# Allegro board reServer industrial J401 Carrier Board v11.brd
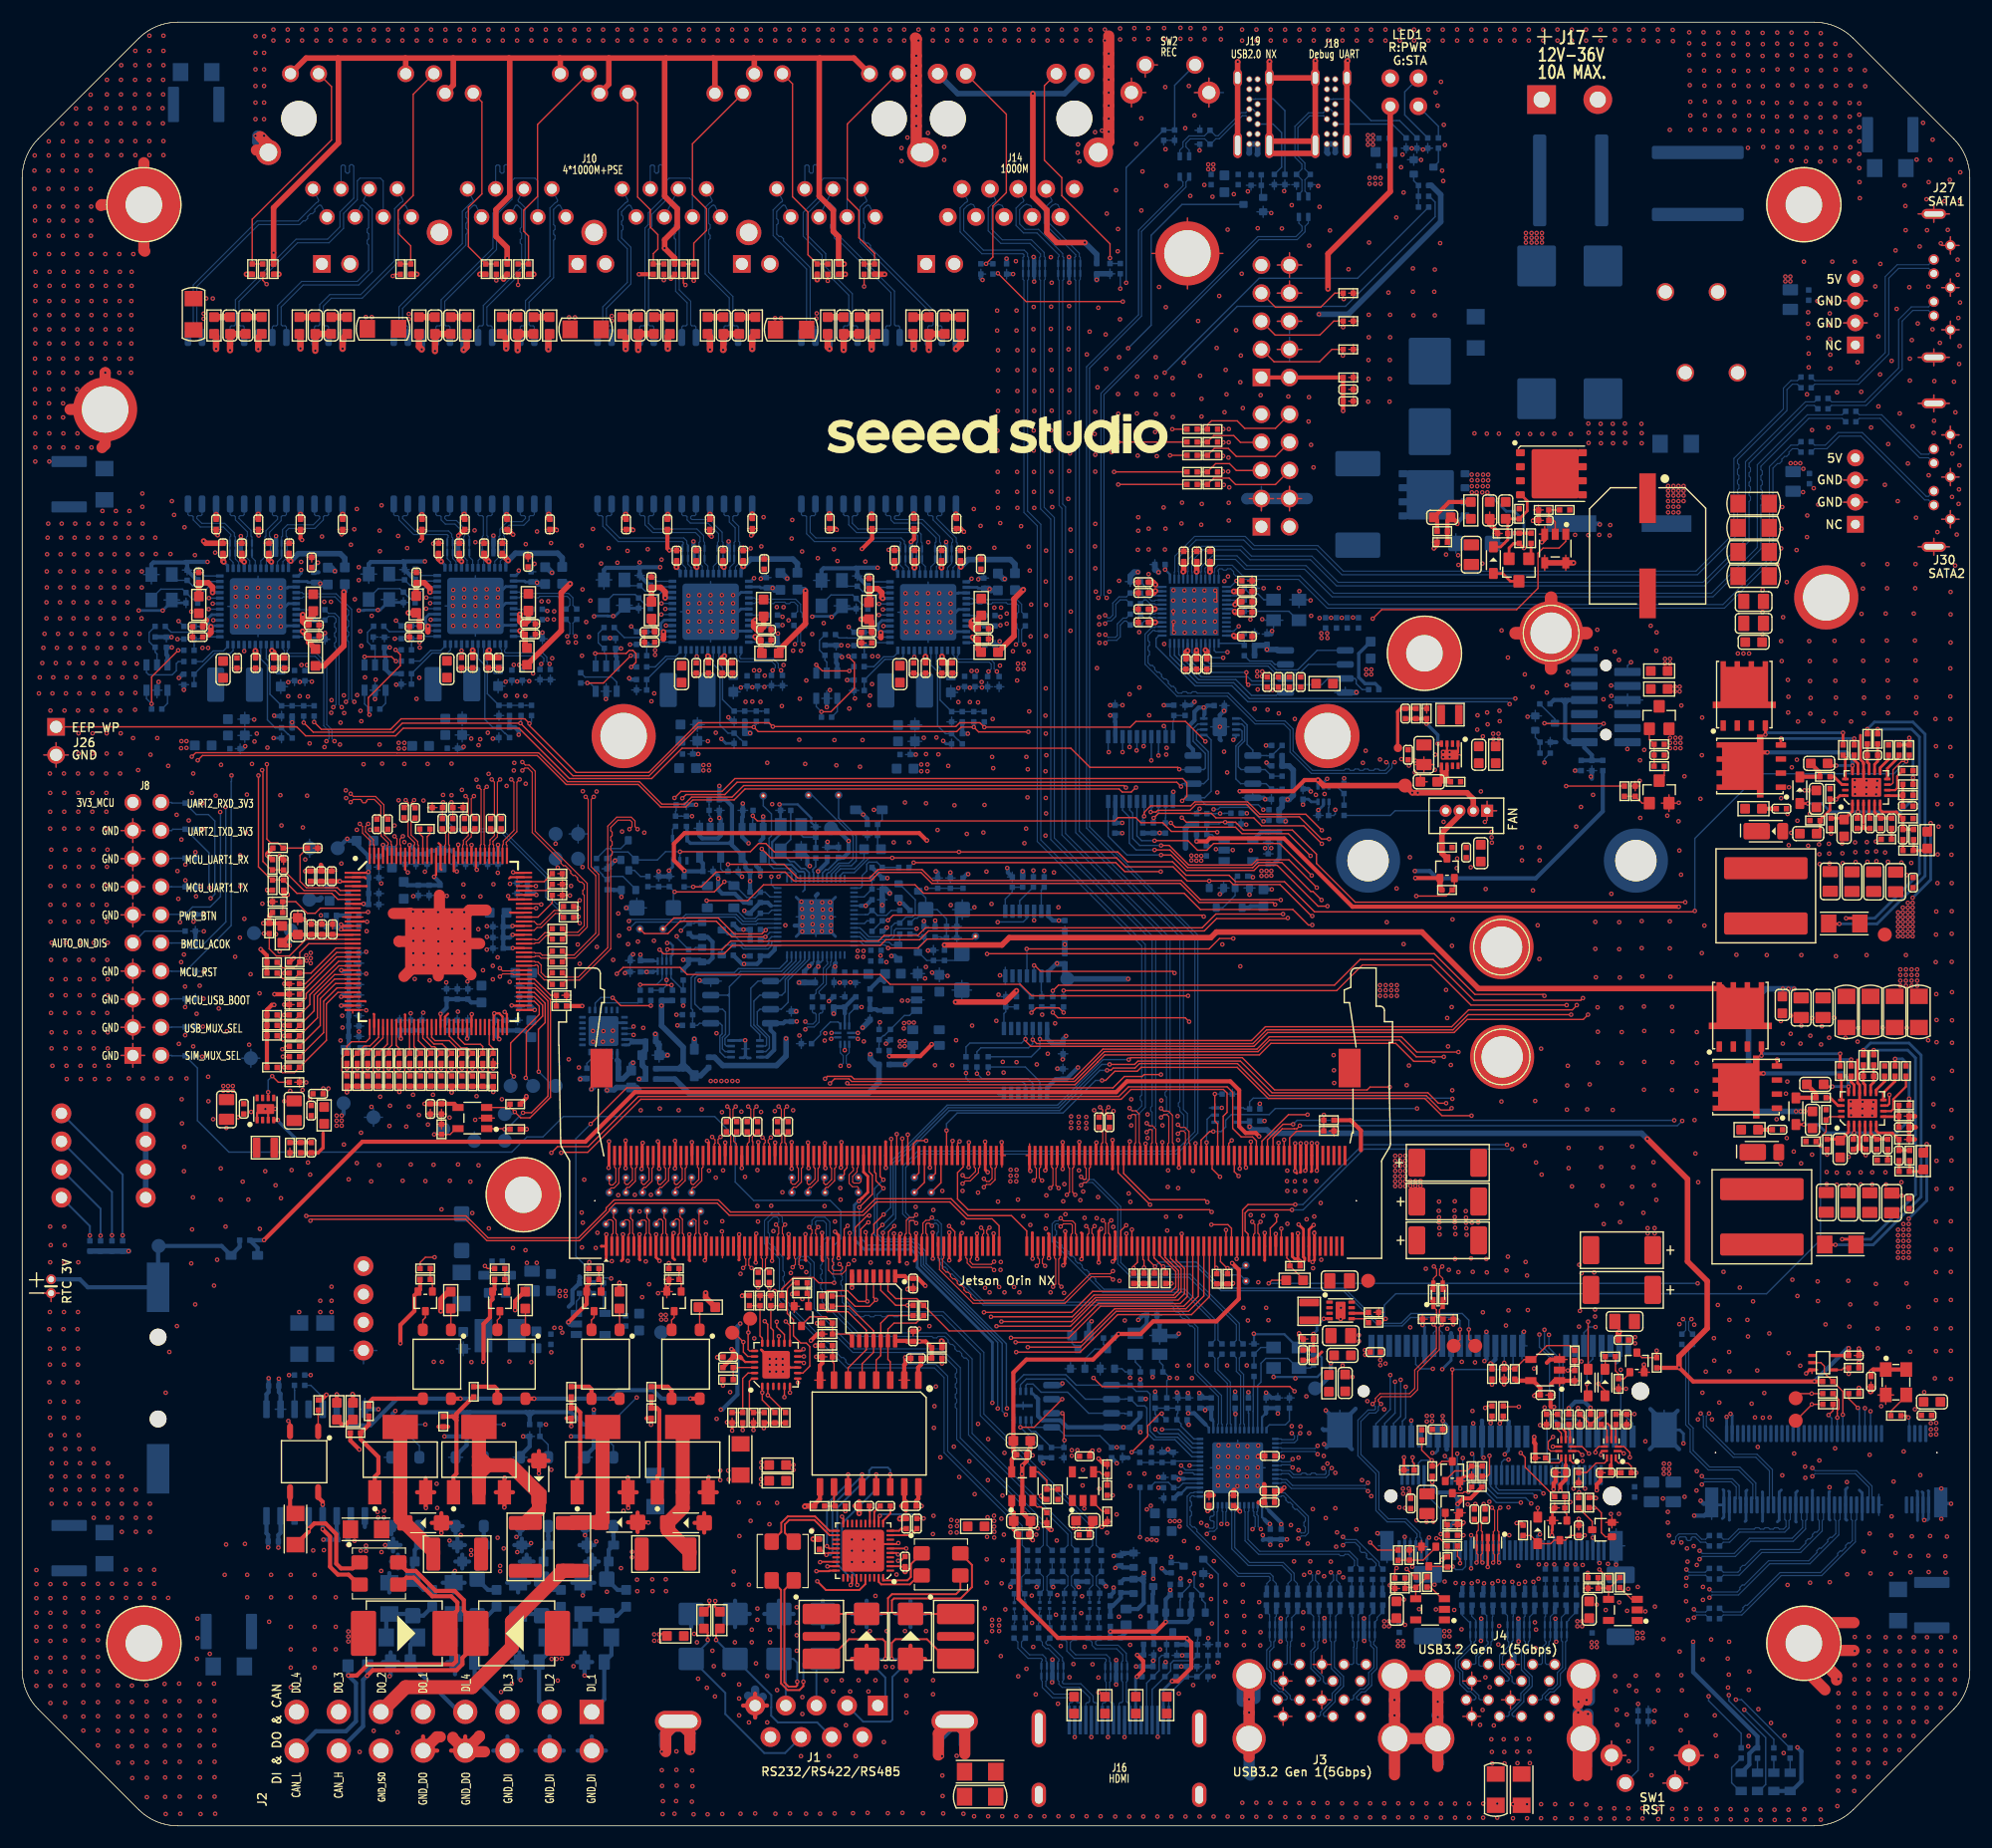
[diagram p0: board, top side]
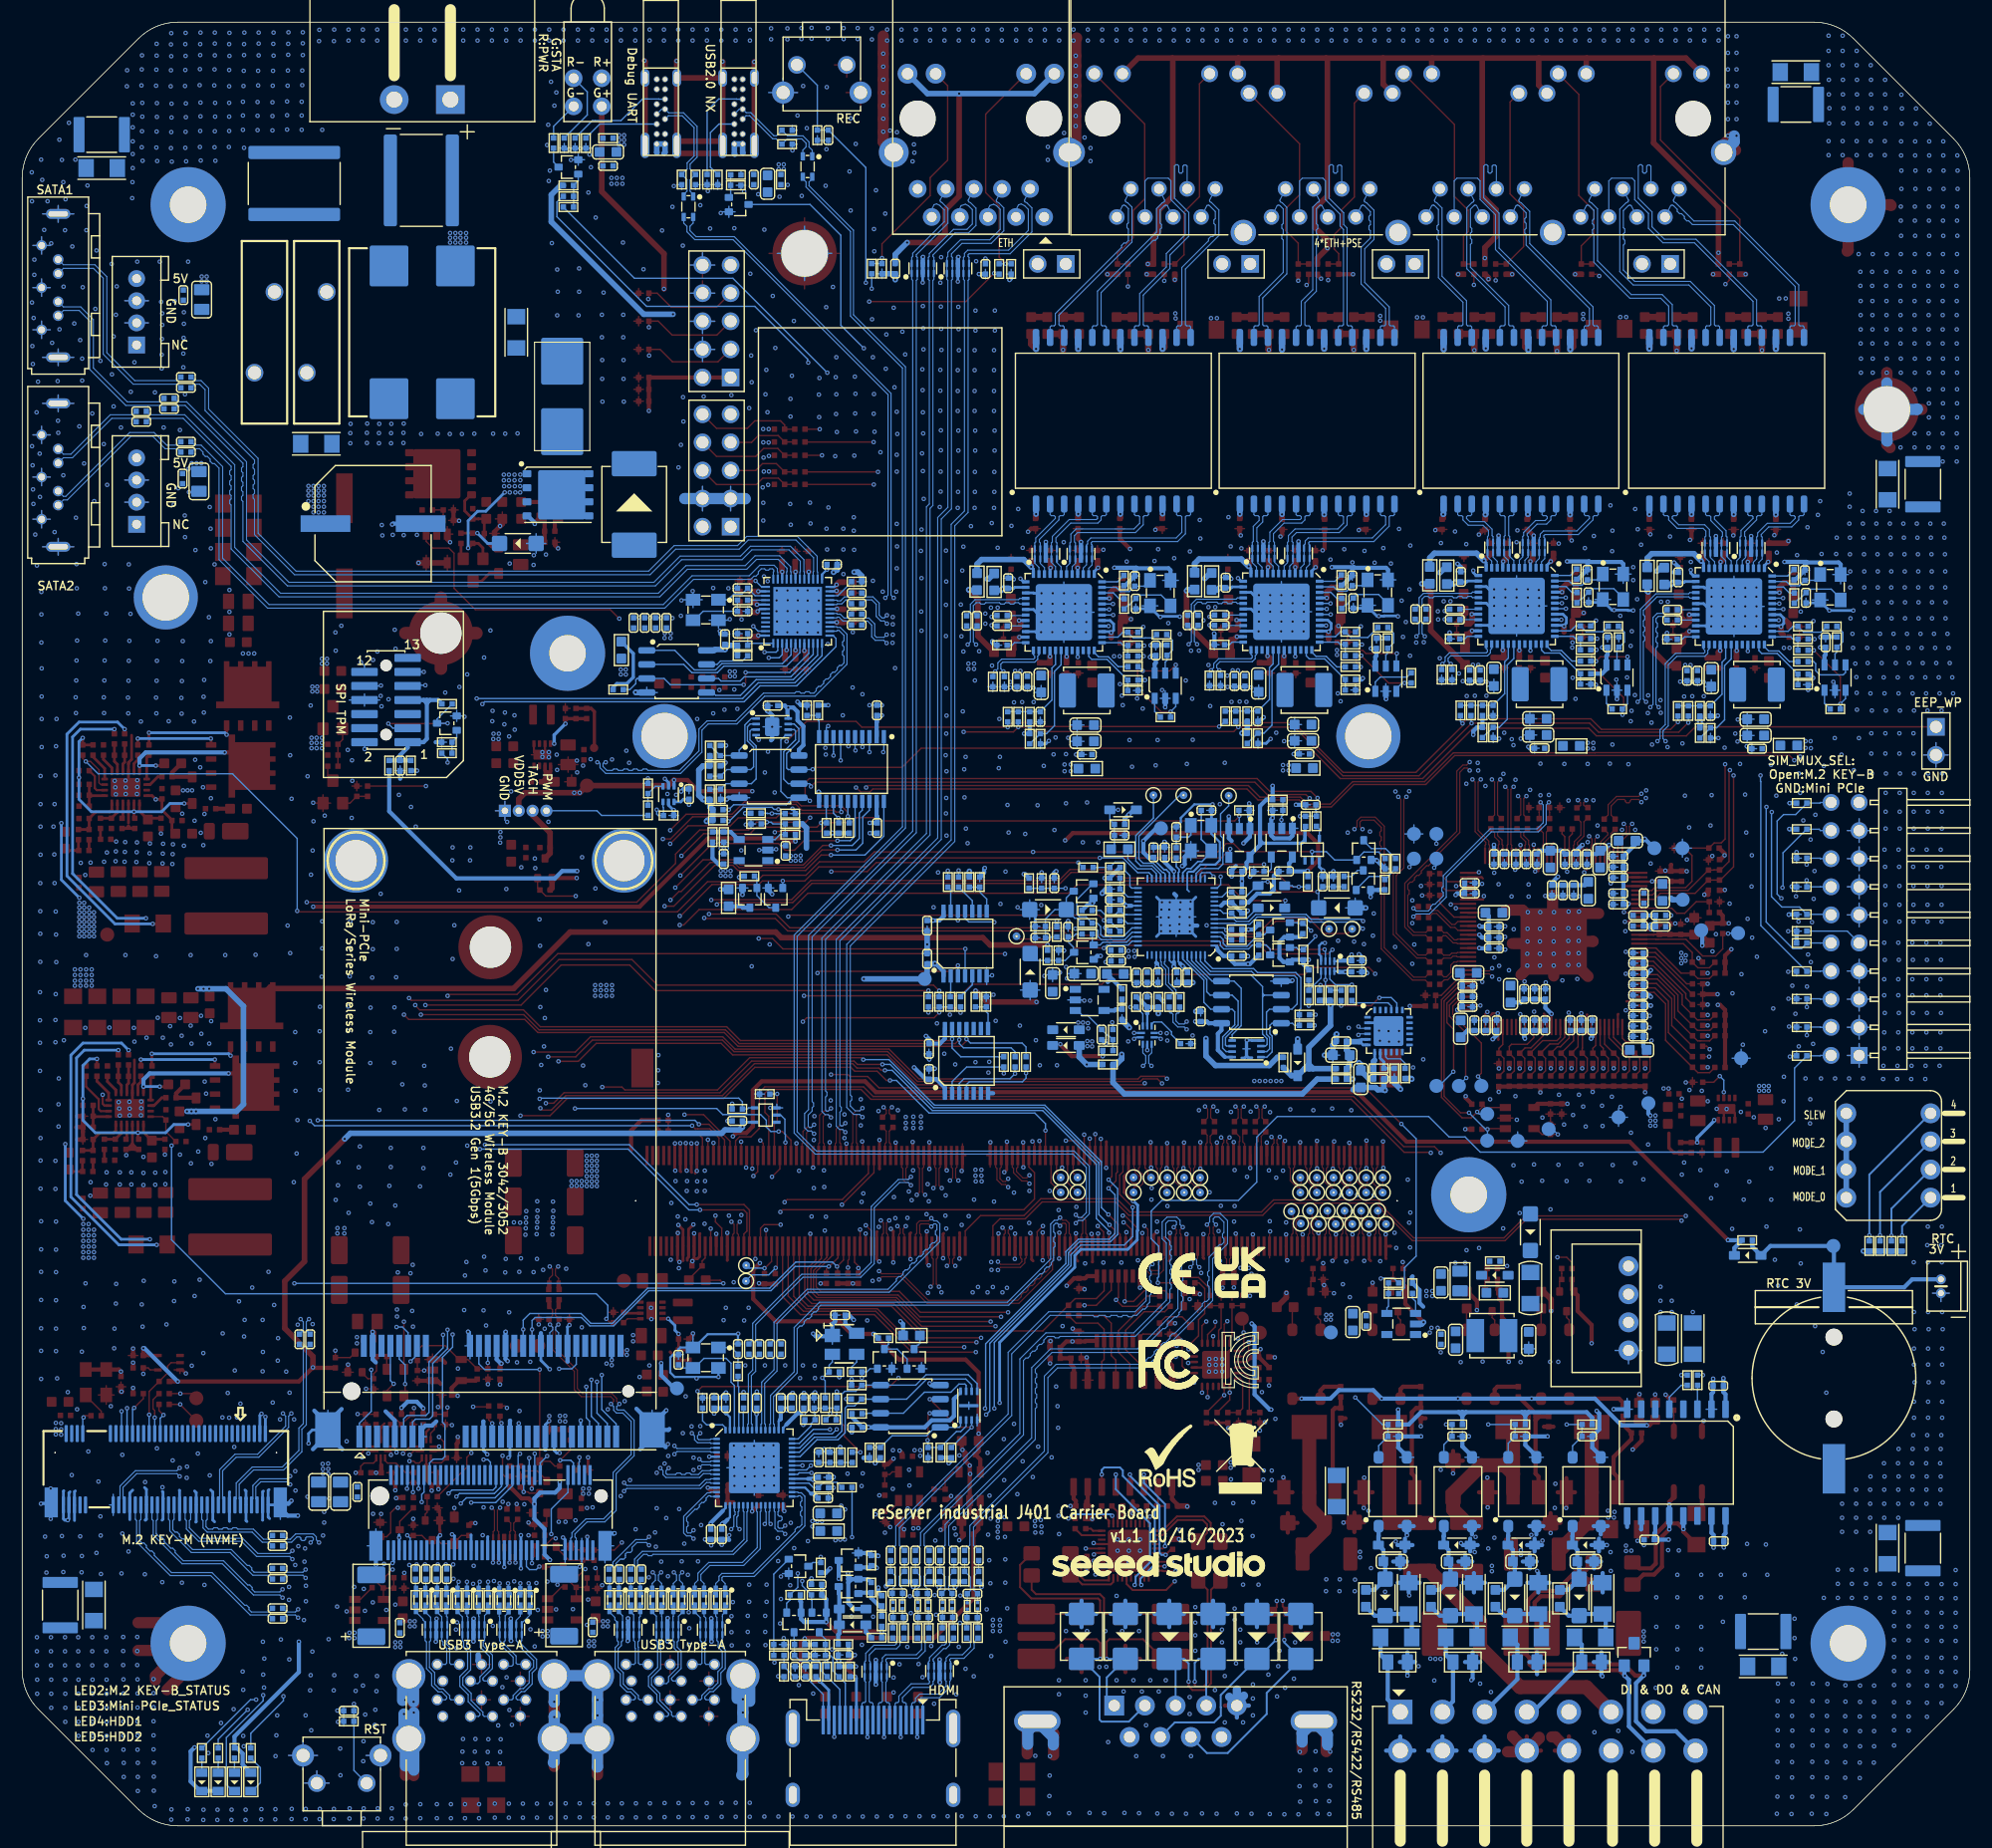
[diagram p1: board, bottom side, seen from below]

Outline 176 x 163 mm; copper layers: TOP, PWR02, LAY3, LAY4, GND05, BOTTOM. Coordinates in mm from the lower left corner of the outline.
Outline path: 0,148.93 0,14.07 ; 0,148.93 arc(0.38,150.84) 1.46,152.46 ; 0,148.93 arc(0.38,150.84) 1.46,152.46 ; 0,148.93 0,14.07 ; 0,14.07 arc(0.38,12.16) 1.46,10.54 ; 0,14.07 arc(0.38,12.16) 1.46,10.54 ; 1.46,152.46 10.54,161.54 ; 1.46,152.46 10.54,161.54 ; 10.54,161.54 arc(12.16,162.62) 14.07,163 ; 10.54,161.54 arc(12.16,162.62) 14.07,163 ; 1.46,10.54 10.54,1.46 ; 1.46,10.54 10.54,1.46 ; 10.54,1.46 arc(12.16,0.38) 14.07,0 ; 10.54,1.46 arc(12.16,0.38) 14.07,0 ; 14.07,163 161.93,163 ; 14.07,163 161.93,163 ; 161.93,163 arc(163.84,162.62) 165.46,161.54 ; 161.93,163 arc(163.84,162.62) 165.46,161.54 ; 14.07,0 161.93,0 ; 14.07,0 161.93,0 ; 161.93,0 arc(163.84,0.38) 165.46,1.46 ; 161.93,0 arc(163.84,0.38) 165.46,1.46 ; 165.46,161.54 174.54,152.46 ; 165.46,161.54 174.54,152.46 ; 174.54,152.46 arc(175.62,150.84) 176,148.93 ; 174.54,152.46 arc(175.62,150.84) 176,148.93 ; 165.46,1.46 174.54,10.54 ; 165.46,1.46 174.54,10.54 ; 174.54,10.54 arc(175.62,12.16) 176,14.07 ; 174.54,10.54 arc(175.62,12.16) 176,14.07 ; 176,148.93 176,14.07 ; 176,148.93 176,14.07

## Design rules (mm)
constraint set DEFAULT: min track width 0.127
net group ADC0: nets ADC0 MCU_ADC0
net group CAN_H: nets CAN_H N28892304
net group CLKQ0_P: nets CLKQ0_N CLKQ0_P
net group CLKQ0_P_N21849158: nets N21849155 N21849158
net group CLKQ0_P_N21849423: nets N21849423 N21849426
net group CSI1_CLK_P: nets CSI1_CLK_N CSI1_CLK_P
net group CSI1_D0_P: nets CSI1_D0_N CSI1_D0_P
net group CSI3_CLK_P: nets CSI3_CLK_N CSI3_CLK_P
net group CSI3_D0_P: nets CSI3_D0_N CSI3_D0_P
net group CSI3_D1_P: nets CSI3_D1_N CSI3_D1_P
net group DPCIE1_REFCLK1_P: nets DPCIE1_REFCLK1_N DPCIE1_REFCLK1_P
net group DPCIE1_REFCLK1_P_N21849608: nets N21849605 N21849608
net group DPCIE1_REFCLK2_P: nets DPCIE1_REFCLK2_N DPCIE1_REFCLK2_P
net group DPCIE1_REFCLK2_P_N21849614: nets N21849611 N21849614
net group DPCIE1_REFCLK3_P: nets DPCIE1_REFCLK3_N DPCIE1_REFCLK3_P
net group DPCIE1_REFCLK3_P_N21918364: nets N21918359 N21918364
net group DPCIE1_RX1_P: nets DPCIE1_RX1_N DPCIE1_RX1_P
net group DPCIE1_RX2_P: nets DPCIE1_RX2_N DPCIE1_RX2_P
net group DPCIE1_RX3_P: nets DPCIE1_RX3_N DPCIE1_RX3_P
net group DPCIE1_TX1_P: nets DPCIE1_TX1_N DPCIE1_TX1_P
net group DPCIE1_TX1_P_N21846749: nets N21846749 N21846769
net group DPCIE1_TX2_P: nets DPCIE1_TX2_N DPCIE1_TX2_P
net group DPCIE1_TX2_P_N21846859: nets N21846839 N21846859
net group DPCIE1_TX3_P_N21918268: nets N21918247 N21918268
net group GBE_MDI0_P: nets GBE_MDI0_N GBE_MDI0_P
net group GBE_MDI1_P: nets GBE_MDI1_N GBE_MDI1_P
net group GBE_MDI2_P: nets GBE_MDI2_N GBE_MDI2_P
net group GBE_MDI3_P: nets GBE_MDI3_N GBE_MDI3_P
net group HDD_LED1: nets HDD_LED1 N6184499
net group HDD_LED2: nets HDD_LED2 N6184581
net group HDMI_TXC_CON_LC_P: nets HDMI_TXC_CON_LC_N HDMI_TXC_CON_LC_P
net group HDMI_TXC_CON_P: nets HDMI_TXC_CON_N HDMI_TXC_CON_P
net group HDMI_TXC_CON_R_P: nets HDMI_TXC_CON_R_N HDMI_TXC_CON_R_P
net group HDMI_TXC_P: nets HDMI_TXC_N HDMI_TXC_P
net group HDMI_TXD0_CON_LC_P: nets HDMI_TXD0_CON_LC_N HDMI_TXD0_CON_LC_P
net group HDMI_TXD0_CON_P: nets HDMI_TXD0_CON_N HDMI_TXD0_CON_P
net group HDMI_TXD0_CON_R_P: nets HDMI_TXD0_CON_R_N HDMI_TXD0_CON_R_P
net group HDMI_TXD0_P: nets HDMI_TX0_N HDMI_TX0_P
net group HDMI_TXD1_CON_LC_P: nets HDMI_TXD1_CON_LC_N HDMI_TXD1_CON_LC_P
net group HDMI_TXD1_CON_P: nets HDMI_TXD1_CON_N HDMI_TXD1_CON_P
net group HDMI_TXD1_CON_R_P: nets HDMI_TXD1_CON_R_N HDMI_TXD1_CON_R_P
net group HDMI_TXD1_P: nets HDMI_TX1_N HDMI_TX1_P
net group HDMI_TXD2_CON_LC_P: nets HDMI_TXD2_CON_LC_N HDMI_TXD2_CON_LC_P
net group HDMI_TXD2_CON_P: nets HDMI_TXD2_CON_N HDMI_TXD2_CON_P
net group HDMI_TXD2_CON_R_P: nets HDMI_TXD2_CON_R_N HDMI_TXD2_CON_R_P
net group HDMI_TXD2_P: nets HDMI_TX2_N HDMI_TX2_P
net group HUB_SSRX1_P: nets HUB_SSRX1_N HUB_SSRX1_P
net group HUB_SSRX3_P: nets HUB_SSRX3_N HUB_SSRX3_P
net group HUB_SSRX4_P: nets HUB_SSRX4_N HUB_SSRX4_P
net group HUB_SSTX1_C_P: nets HUB_SSTX1_C_N HUB_SSTX1_C_P
net group HUB_SSTX1_P: nets HUB_SSTX1_N HUB_SSTX1_P
net group HUB_SSTX2_C_P: nets HUB_SSTX2_C_N HUB_SSTX2_C_P
net group HUB_SSTX2_P: nets HUB_SSTX2_N HUB_SSTX2_P
net group HUB_SSTX3_C_P: nets HUB_SSTX3_C_N HUB_SSTX3_C_P
net group HUB_SSTX3_P: nets HUB_SSTX3_N HUB_SSTX3_P
net group HUB_SSTX4_C_P: nets HUB_SSTX4_C_N HUB_SSTX4_C_P
net group HUB_SSTX4_P: nets HUB_SSTX4_N HUB_SSTX4_P
net group HUB_USB4_DP_1: nets USB_DM USB_DP
net group M2B_PCIE_HSD4_P: nets M2B_PCIE_HSD4_N M2B_PCIE_HSD4_P
net group M2B_SSRX4_P: nets M2B_SSRX4_N M2B_SSRX4_P
net group M2B_SSTX4_P: nets M2B_SSTX4_N M2B_SSTX4_P
net group MCU_USB_DP: nets MCU_USB_DN MCU_USB_DP
net group MXB_P: nets MXB_N MXB_P
net group MXB_P_31552087: nets MXB_N_31552088 MXB_P_31552087
net group MXB_P_31557454: nets MXB_N_31557455 MXB_P_31557454
net group MXB_P_31560084: nets MXB_N_31560085 MXB_P_31560084
net group N6182664: nets N6182664 N6182668
net group N6202757: nets N6202757 N6202805
net group P2T0_P: nets P2T0_N P2T0_P
net group P3T0_P: nets P3T0_N P3T0_P
net group PCIE0_CLK_P: nets PCIE0_CLK_N PCIE0_CLK_P
net group PCIE0_RX0_M2_P: nets PCIE0_RX0_N PCIE0_RX0_P
net group PCIE0_RX1_P: nets PCIE0_RX1_N PCIE0_RX1_P
net group PCIE0_RX2_P: nets PCIE0_RX2_N PCIE0_RX2_P
net group PCIE0_RX3_P: nets PCIE0_RX3_N PCIE0_RX3_P
net group PCIE0_TX0_M2_P: nets PCIE0_TX0_M2_N PCIE0_TX0_M2_P
net group PCIE0_TX0_P: nets PCIE0_TX0_N PCIE0_TX0_P
net group PCIE0_TX1_M2_P: nets PCIE0_TX1_M2_N PCIE0_TX1_M2_P
net group PCIE0_TX1_P: nets PCIE0_TX1_N PCIE0_TX1_P
net group PCIE0_TX2_M2_P: nets PCIE0_TX2_M2_N PCIE0_TX2_M2_P
net group PCIE0_TX2_P: nets PCIE0_TX2_N PCIE0_TX2_P
net group PCIE0_TX3_M2_P: nets PCIE0_TX3_M2_N PCIE0_TX3_M2_P
net group PCIE0_TX3_P: nets PCIE0_TX3_N PCIE0_TX3_P
net group PCIE1_CLK_P: nets PCIE1_CLK_N PCIE1_CLK_P
net group PCIE1_RX0_P: nets PCIE1_RX0_N PCIE1_RX0_P
net group PCIE1_TX0_P: nets PCIE1_TX0_N PCIE1_TX0_P
net group PCIE2_CLK_P: nets PCIE2_CLK_N PCIE2_CLK_P
net group PCIE2_RX0_P: nets PCIE2_RX0_N PCIE2_RX0_P
net group PCIE2_RX0_P_1: nets N21923392 N21923407
net group PCIE2_TX0_P: nets PCIE2_TX0_N PCIE2_TX0_P
net group PCIE3_CLK_P: nets PCIE3_CLK_N PCIE3_CLK_P
net group PCIE3_RX0_N: nets P_TXN0 PCIE3_RX0_N
net group PCIE3_RX0_P: nets P_TXP0 PCIE3_RX0_P
net group PCIE3_TX0_N: nets P_RXN0 PCIE3_TX0_N
net group PCIE3_TX0_P: nets P_RXP0 PCIE3_TX0_P
net group PCIE_RX_P: nets PCIE_RX_N PCIE_RX_P
net group PCIE_RX_P_31551788: nets PCIE_RX_N_31551787 PCIE_RX_P_31551788
net group PCIE_RX_P_31557155: nets PCIE_RX_N_31557154 PCIE_RX_P_31557155
net group PCIE_RX_P_31559785: nets PCIE_RX_N_31559784 PCIE_RX_P_31559785
net group PCIE_TX_P: nets PCIE_TX_N PCIE_TX_P
net group PCIE_TX_P_31551785: nets PCIE_TX_N_31551786 PCIE_TX_P_31551785
net group PCIE_TX_P_31557152: nets PCIE_TX_N_31557153 PCIE_TX_P_31557152
net group PCIE_TX_P_31559782: nets PCIE_TX_N_31559783 PCIE_TX_P_31559782
net group RP2040_XOUT: nets N26055734 RP2040_XOUT
net group SATA_PWREN1: nets N6202859 SATA_PWREN1
net group SATA_RXN0: nets S_RXN0 SATA_RXN0
net group SATA_RXN1: nets S_RXN1 SATA_RXN1
net group SATA_RXP0: nets S_RXP0 SATA_RXP0
net group SATA_RXP1: nets S_RXP1 SATA_RXP1
net group SATA_TXN0: nets S_TXN0 SATA_TXN0
net group SATA_TXN1: nets S_TXN1 SATA_TXN1
net group SATA_TXP0: nets S_TXP0 SATA_TXP0
net group SATA_TXP1: nets S_TXP1 SATA_TXP1
net group TXRXA_P: nets TXRXA_N TXRXA_P
net group TXRXA_P_31551789: nets TXRXA_N_31551790 TXRXA_P_31551789
net group TXRXA_P_31557156: nets TXRXA_N_31557157 TXRXA_P_31557156
net group TXRXA_P_31559786: nets TXRXA_N_31559787 TXRXA_P_31559786
net group TXRXB_P: nets TXRXB_N TXRXB_P
net group TXRXB_P_31551791: nets TXRXB_N_31551792 TXRXB_P_31551791
net group TXRXB_P_31557158: nets TXRXB_N_31557159 TXRXB_P_31557158
net group TXRXB_P_31559788: nets TXRXB_N_31559789 TXRXB_P_31559788
net group TXRXC_P: nets TXRXC_N TXRXC_P
net group TXRXC_P_31551793: nets TXRXC_N_31551794 TXRXC_P_31551793
net group TXRXC_P_31557160: nets TXRXC_N_31557161 TXRXC_P_31557160
net group TXRXC_P_31559790: nets TXRXC_N_31559791 TXRXC_P_31559790
net group TXRXD_P: nets TXRXD_N TXRXD_P
net group TXRXD_P_31551795: nets TXRXD_N_31551796 TXRXD_P_31551795
net group TXRXD_P_31557162: nets TXRXD_N_31557163 TXRXD_P_31557162
net group TXRXD_P_31559792: nets TXRXD_N_31559793 TXRXD_P_31559792
net group TYPE C_USB_DP: nets TYPE C_USB_DN TYPE C_USB_DP
net group TYPE_C_USB_DP: nets N29154261 N29154278
net group UART_USB_DP: nets UART_USB_DN UART_USB_DP
net group USB0_AP_P: nets USB0_AP_N USB0_AP_P
net group USB0_AP_P_1: nets N27061452 N27061465
net group USB1_A_P_31554757: nets USB1_A_N_31554753 USB1_A_P_31554757
net group USB2_A_P: nets USB2_A_N USB2_A_P
net group USB2_A_P_31554812: nets USB2_A_N_31554805 USB2_A_P_31554812
net group USB2_AP_P: nets USB2_AP_N USB2_AP_P
net group USBSS1_RX_P: nets USBSS1_RX_N USBSS1_RX_P
net group USBSS1_TX_P: nets USBSS1_TX_N USBSS1_TX_P
net group USBSS2_RX_P: nets USBSS2_RX_N USBSS2_RX_P
net group USBSS2_TX_P: nets USBSS2_TX_N USBSS2_TX_P
net group USBSS_RX_A_CON1_N_31554771: nets USBSS_RX_A_CON1_N_31554771 USBSS_RX_A_CON1_P_31554780
net group USBSS_RX_A_CON1_P: nets USBSS_RX_A_CON1_N USBSS_RX_A_CON1_P
net group USBSS_RX_A_CON2_N_31554819: nets USBSS_RX_A_CON2_N_31554819 USBSS_RX_A_CON2_P_31554826
net group USBSS_RX_A_CON2_P: nets USBSS_RX_A_CON2_N USBSS_RX_A_CON2_P
net group USBSS_RX_HUB_P: nets USBSS_RX_HUB_N USBSS_RX_HUB_P
net group USBSS_TX_A_CON1_P_31554796: nets USBSS_TX_A_CON1_N_31554787 USBSS_TX_A_CON1_P_31554796
net group USBSS_TX_A_CON2_P: nets USBSS_TX_A_CON2_N USBSS_TX_A_CON2_P
net group USBSS_TX_A_CON2_P_31554840: nets USBSS_TX_A_CON2_N_31554833 USBSS_TX_A_CON2_P_31554840
net group USBSS_TX_HUB_P: nets USBSS_TX_HUB_N USBSS_TX_HUB_P
net group USBSS_TX_P: nets USBSS_TX_N USBSS_TX_P
net group 1V25_FB: nets 1V25_FB
net group 3V3_IN_A: nets N31600369
net group HDMI_CEC_Q: nets HDMI_CEC_Q
net group JMB_SPI_HOLD: nets JMB_SPI_HOLD JMB_SPI_WP N6183319

## Placement (name value [footprint] x y rotation side)
C1  10nF  [C0402]  146.48 10.4 0 bottom
C2  100nF  [C0402]  141.87 17.9 90 bottom
C3  330uF  [AVX_C]  144.45 19.89 90 bottom
C4  4.7uF  [C0603]  124.18 19.53 90 top
C5  100nF  [C0402]  124.44 17.95 90 bottom
C6  100nF  [C0402]  137.64 22.75 270 bottom
C7  100nF  [C0402]  138.57 22.75 270 bottom
C8  100nF  [C0402]  139.52 22.75 270 bottom
C9  100nF  [C0402]  140.45 22.75 270 bottom
C10  100nF  [C0603]  34.72 23.89 180 bottom
C11  100nF  [C0603]  40.53 23.89 180 bottom
C12  100nF  [C0603]  46.35 23.89 180 bottom
C13  100nF  [C0603]  52.24 23.89 180 bottom
C14  100nF  [C0402]  22.69 25.72 0 bottom
C15  4.7uF  [C0603]  141.61 19.53 90 top
C16  2.2nF  [C4532]  4.25 25.1 90 bottom
C17  18pF  [C0402]  116.7 42.13 90 bottom
C18  100nF  [C0402]  112.71 29.23 180 top
C19  1nF  [C0402]  112.71 30.26 180 top
C20  100nF  [C0402]  112.74 33.43 180 top
C21  10pF  [C0402]  34.59 35.19 180 bottom
C22  10pF  [C0402]  40.63 35.19 180 bottom
C23  10pF  [C0402]  46.32 35.19 180 bottom
C24  10pF  [C0402]  52.12 35.19 180 bottom
C25  100nF  [C0402]  113.77 26.35 270 bottom
C26  100nF  [C0402]  113.47 38.21 90 bottom
C27  1nF  [C0402]  112.78 26.35 270 bottom
C28  100nF  [C0402]  112.4 38.21 90 bottom
C29  18pF  [C0402]  111.31 43.09 90 bottom
C30  100nF  [C0402]  22.74 39.77 0 bottom
C31  100nF  [C0402]  109.61 38.21 90 bottom
C32  100nF  [C0402]  109.38 43.09 270 bottom
C33  100nF  [C0402]  110.32 43.09 270 bottom
C34  100nF  [C0402]  107.45 38.21 90 bottom
C35  100nF  [C0402]  107.43 43.09 270 bottom
C36  100nF  [C0402]  108.42 43.09 270 bottom
C37  1nF  [C0402]  106.43 38.21 90 bottom
C38  100nF  [C0402]  107.26 29.42 90 top
C39  100nF  [C0402]  105.37 38.21 90 bottom
C40  1uF  [C0402]  104.44 38.21 90 bottom
C41  10nF  [C0402]  104.02 33.3 90 bottom
C42  4.7uF  [C0603]  39.86 43.88 270 bottom
C43  100nF  [C0402]  131.23 28.16 90 top
C44  100nF  [C0402]  132.19 28.16 90 top
C45  4.7uF  [C0603]  46.47 43.93 270 bottom
C46  100nF  [C0402]  47.78 43.97 270 bottom
C47  100nF  [C0402]  103.62 29.62 180 bottom
C48  1nF  [C0402]  103.6 31.5 180 bottom
C49  100nF  [C0402]  54.54 45.63 90 bottom
C50  4.7uF  [C0603]  103.12 28.24 180 bottom
C51  100nF  [C0402]  145.71 30.18 270 bottom
C52  1nF  [C1206]  27.39 44.03 90 bottom
C53  10uF  [C0603]  55.76 45.53 90 bottom
C54  22uF  [C0805]  147.23 30.18 270 bottom
C55  100nF  [C0402]  100.55 36.01 0 bottom
C56  4.7uF  [C0603]  119.55 40.02 90 top
C57  10uF  [C0603]  119.31 42.52 0 top
C58  22uF  [C0805]  149.2 30.18 270 bottom
C59  1nF  [C1206]  39.71 48.6 90 bottom
C60  4.7uF  [C0603]  47.79 49.11 90 bottom
C61  22uF  [C0805]  144.8 45.58 180 top
C62  22pF  [C0402]  115.74 42.54 90 top
C63  100nF  [C0402]  102.08 46.15 0 bottom
C64  22uF  [C0805]  119.16 44.3 0 top
C65  330uF  [AVX_C]  144.55 52.03 180 top
C66  330uF  [AVX_C]  144.55 48.43 180 top
C67  100nF  [C0402]  108.18 101.23 0 bottom
C68  100nF  [C0402]  98.74 90.18 270 bottom
C69  22uF  [C0805]  119.05 49.25 180 top
C70  10uF  [C0603]  131.81 87.9 270 top
C71  100nF  [C0402]  130.49 87.96 270 top
C72  100nF  [C0402]  59.56 92.27 0 bottom
C73  27pF  [C0402]  68.99 91.77 180 bottom
C74  100nF  [C0402]  115.74 93.24 270 bottom
C75  27pF  [C0402]  71.71 89.82 90 bottom
C76  1uF  [C0402]  76.84 89.51 180 bottom
C77  22uF  [C0805]  163.03 56.34 90 top
C78  22uF  [C0805]  164.99 56.32 90 top
C79  100nF  [C0402]  73.77 87.97 90 bottom
C80  100nF  [C0402]  72.75 87.97 90 bottom
C81  220pF  [C0402]  158.61 62.91 0 top
C82  1uF  [C0402]  107.01 88.12 90 bottom
C83  1uF  [C0402]  112.6 87.38 90 bottom
C84  100nF  [C0402]  66.24 86.26 0 bottom
C85  100nF  [C0402]  61.98 86.26 0 bottom
C86  100nF  [C0402]  98.76 100.81 270 bottom
C87  10nF  [C0402]  58.48 85.34 90 bottom
C88  100pF  [C0402]  82.73 85.19 90 bottom
C89  100nF  [C0402]  170.51 56.24 90 top
C90  100nF  [C0402]  77.26 83.69 0 bottom
C91  22uF  [C0805]  168.94 56.3 90 top
C92  22uF  [C0805]  166.95 56.32 90 top
C93  100nF  [C0402]  66.24 83.44 180 bottom
C94  100pF  [C0402]  81.49 80.8 90 bottom
C95  100nF  [C0603]  162.03 67.01 0 top
C96  100pF  [C0402]  83.99 80.26 0 bottom
C97  470nF  [C0603]  161.78 63.81 270 top
C98  100nF  [C0402]  77.16 79.12 0 bottom
C99  4.7uF  [C0805]  160.75 73.94 270 top
C100  100nF  [C0402]  66.24 78.61 180 bottom
C101  100nF  [C0603]  159.05 74.19 270 top
C102  100nF  [C0402]  55.41 78.19 180 bottom
C103  4.7uF  [C0603]  164.28 61.17 270 top
C104  1uF  [C0402]  77.15 78.16 0 bottom
C105  100nF  [C0402]  55.41 77.17 180 bottom
C106  10uF  [C0603]  80.17 77.01 0 bottom
C107  1uF  [C0402]  73.36 76.68 270 bottom
C108  1uF  [C0402]  74.33 76.68 270 bottom
C109  100nF  [C0402]  70.7 76.67 270 bottom
C110  100nF  [C0402]  75.29 76.66 270 bottom
C111  100nF  [C0402]  71.66 76.66 270 bottom
C112  1uF  [C0402]  165.47 61.59 270 top
C113  10uF  [C0603]  82.88 76.15 90 bottom
C114  10uF  [C1206]  167.03 73.55 270 top
C115  100nF  [C0402]  46.54 109.95 180 bottom
C116  10nF  [C0402]  166.61 61.59 270 top
C117  100nF  [C0402]  74.34 74.45 90 bottom
C118  33pF  [C0402]  166.84 67.74 0 top
C119  10nF  [C0402]  167.58 61.59 270 top
C120  4.7uF  [C0603]  164.63 90.17 270 top
C121  100nF  [C0402]  69.5 73.14 90 bottom
C122  10uF  [C1206]  164.84 73.55 270 top
C123  680pF  [C0402]  168.57 61.59 270 top
C124  150pF  [C0402]  169.95 89.58 90 top
C125  680pF  [C0402]  168.93 90.6 270 top
C126  10nF  [C0402]  167.94 90.6 270 top
C127  10nF  [C0402]  166.97 90.6 270 top
C128  1uF  [C0402]  165.83 90.6 270 top
C129  4.7uF  [C0805]  162.73 73.94 270 top
C130  1uF  [C0603]  161.4 89.66 180 top
C131  150pF  [C0402]  169.6 60.57 90 top
C132  1uF  [C0402]  78.46 71.51 270 bottom
C133  100nF  [C0402]  46.54 109.01 180 bottom
C134  10nF  [C0402]  170.05 63.15 0 top
C135  10nF  [C0402]  170.4 92.15 0 top
C136  470nF  [C0603]  162.13 92.81 270 top
C137  4.7uF  [C0603]  55.04 67.49 270 bottom
C138  2.2nF  [C4532]  4.25 121.24 270 bottom
C139  2.2nF  [C4532]  172.56 19.95 90 bottom
C140  100nF  [C0402]  111.38 63.71 180 bottom
C141  33pF  [C0402]  167.2 96.75 0 top
C142  100nF  [C0603]  162.39 96.01 0 top
C143  100nF  [C0402]  97.31 63.58 90 top
C144  100nF  [C0402]  98.25 63.58 90 top
C145  2.2nF  [C4532]  168.81 152.83 0 bottom
C146  100nF  [C0402]  141.84 95.82 90 bottom
C147  220uF  [CAE-10_5X10_5X10_5MM-S]  144.29 117.68 180 bottom
C148  220uF  [CAE-10_5X10_5X10_5MM-S]  146.88 115.67 270 top
C149  100nF  [C0402]  19.24 97.34 0 bottom
C150  10uF  [C0603]  19.36 98.53 0 bottom
C151  100nF  [C0402]  165.51 42.51 180 top
C152  10uF  [C0603]  19.36 100.01 0 bottom
C153  1uF  [C0402]  23.44 100.75 270 bottom
C154  10uF  [C0603]  90.33 34.79 0 top
C155  100nF  [C0402]  90.32 33.54 0 top
C156  100nF  [C0402]  96.01 33.4 0 top
C157  10uF  [C0603]  23.37 103.72 270 bottom
C158  100nF  [C0402]  25.55 103.94 270 bottom
C159  1uF  [C0402]  24.61 103.95 270 bottom
C160  10uF  [C0603]  172.57 38.32 180 top
C161  100nF  [C0402]  172.08 37.09 180 top
C162  100nF  [C0402]  13.04 106.96 90 bottom
C163  4.7uF  [C0603]  95.99 27.58 0 top
C164  10uF  [C0603]  90.36 27.55 0 top
C165  100nF  [C0402]  26.89 108.97 180 bottom
C166  100nF  [C0402]  26.89 109.9 180 bottom
C167  100nF  [C0402]  95.96 26.29 0 top
C168  100nF  [C0402]  90.5 26.36 0 top
C169  18pF  [C0402]  14.81 110.98 270 bottom
C170  100nF  [C0402]  97.51 24.43 270 bottom
C171  100nF  [C0402]  96.27 24.43 270 bottom
C172  100nF  [C0402]  95.28 24.43 270 bottom
C173  100nF  [C0402]  94.04 24.43 270 bottom
C174  100nF  [C0402]  93.07 24.43 270 bottom
C175  100nF  [C0402]  91.8 24.43 270 bottom
C176  100nF  [C0402]  90.83 24.43 270 bottom
C177  100nF  [C0402]  89.56 24.43 270 bottom
C178  1nF  [C1206]  86.57 2.64 180 top